# Altium PCB VITA_57_FMC_Lib_Demoboard.PcbDoc
Units mm, origin at the board's own origin, x right, y up, seen from the top; angles counter-clockwise.
Board outline 150 x 85 mm, 2 copper layers (Top Layer, Bottom Layer); 14 components, 0 nets, 1145 pads, 0 vias.
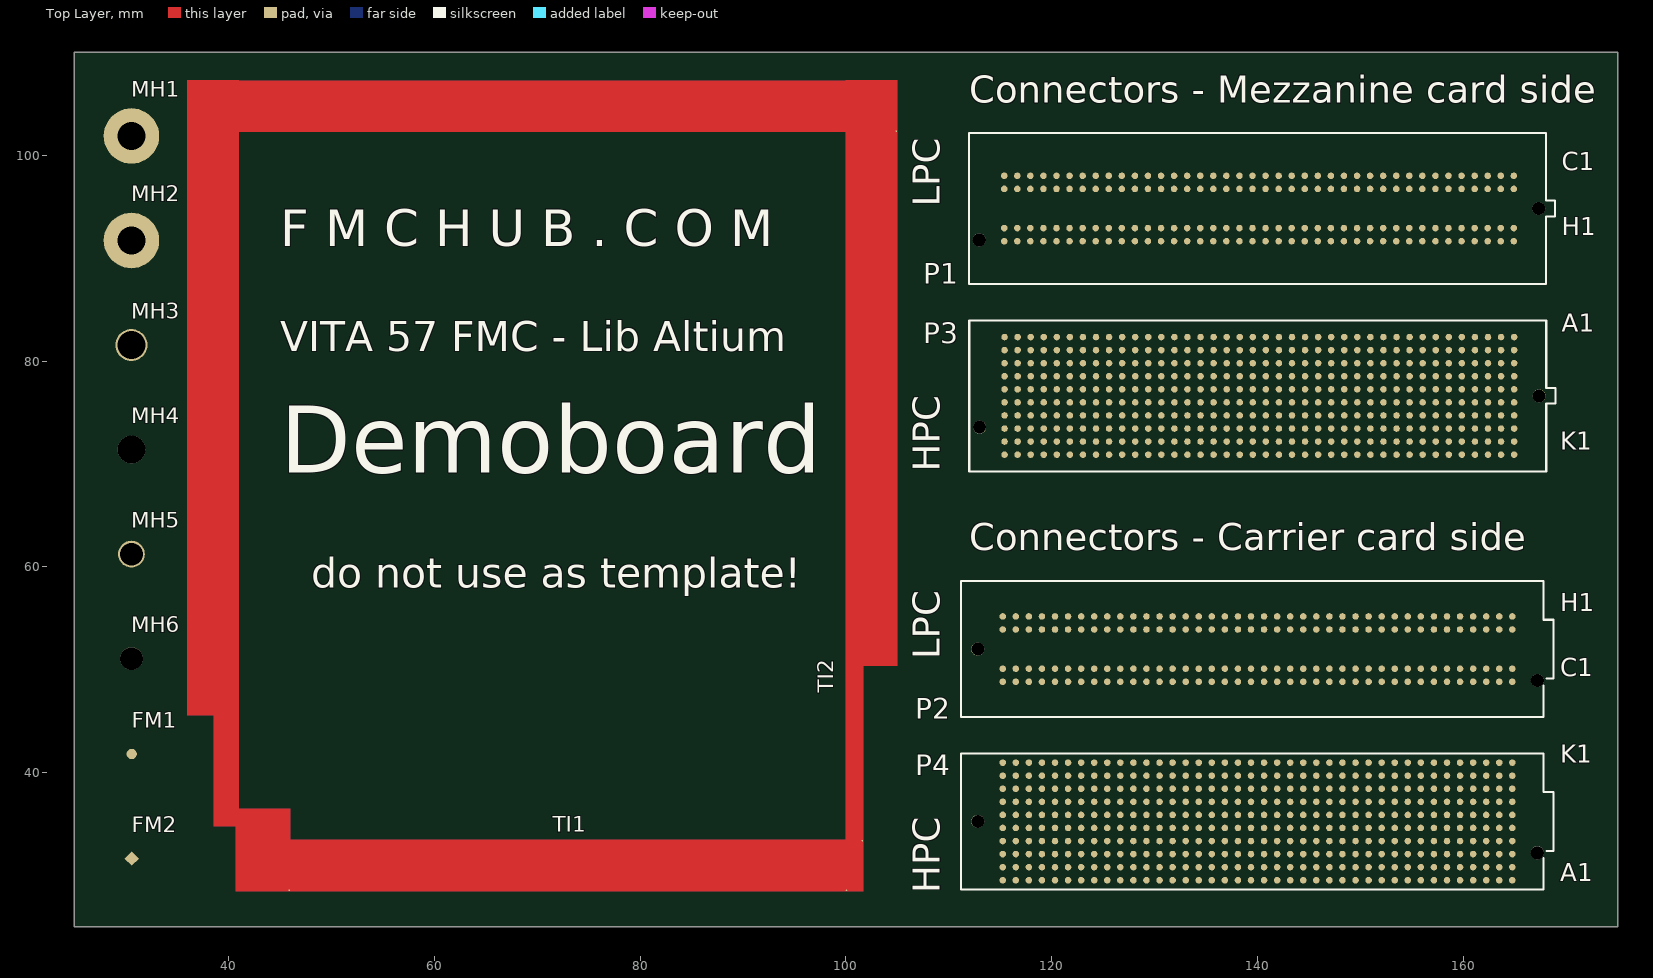
[diagram p0: Top Layer view]
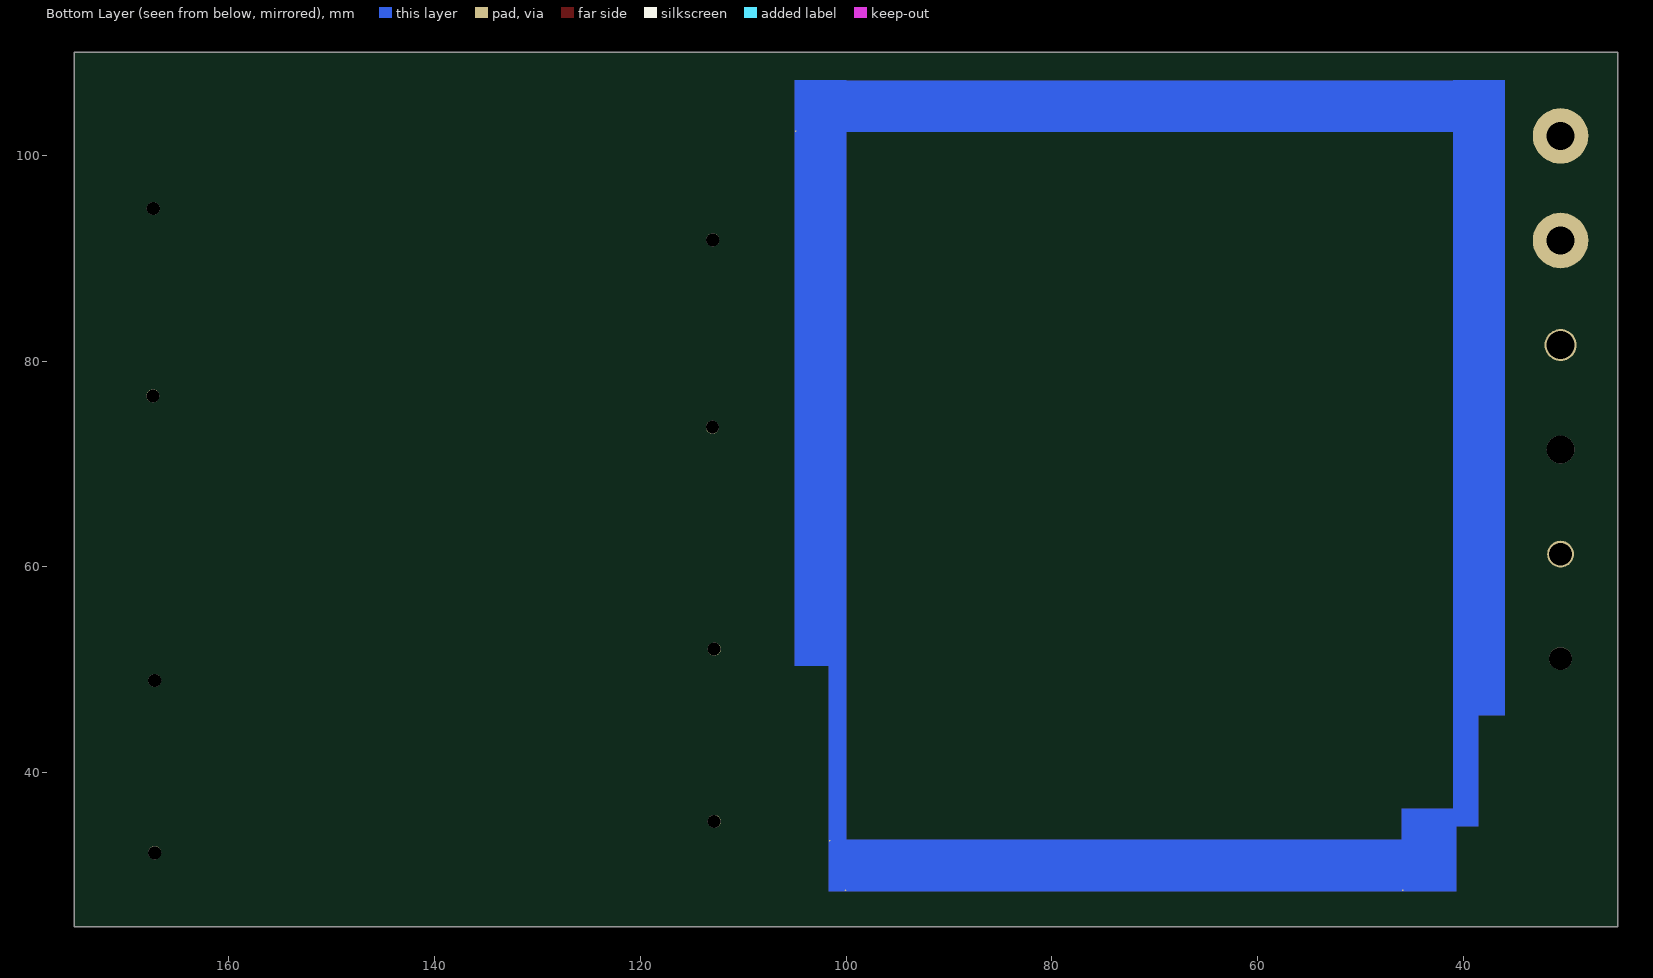
[diagram p1: Bottom Layer view, seen from below]

## Layer stack, top to bottom
Top Solder: solder mask 0.0102, Solder Resist, Dk 3.5
Top Layer: signal copper 0.0356
Dielectric 1: dielectric 0.32, FR-4, Dk 4.8
Bottom Layer: signal copper 0.0356
Bottom Solder: solder mask 0.0102, Solder Resist, Dk 3.5

## Board outline
25,25 175,25 175,110 25,110

## Design rules (kind name [scope] priority, off if disabled: settings)
Clearance [All] p1: gap=0.254 ignorepadtopadclearanceinfootprint=FALSE except(0: Arc-Hole Track-Hole SMDPad-Hole THPad-Hole Via-Hole Fill-Hole Poly-Hole Region-Hole Text-Hole)
HoleSize [All] p1: absolutevalues=TRUE maxlimit=4.5 minlimit=0.3 maxpercent=80.000 minpercent=20.000
PolygonConnect [All] p1: connectstyle=Relief reliefconductorwidth=0.254 reliefentries=4 polygonreliefangle="90 Angle" airgapwidth=0.254
RoutingVias [All] p1: holewidth=0.711 width=1.27 viastyle="Through Hole" minholewidth=0.711 minwidth=1.27 maxholewidth=0.711 maxwidth=1.27
SolderMaskExpansion [All] p1: expansion=0.102
Width [All] p1: maxlimit=0.254 minlimit=0.254 preferedwidth=0.254
29 further rules are at their usual default settings.

## Classes and differential pairs
component class VITA_57_FMC_Lib_Demoboard_LPC: FM1 FM2 MH1 MH2 MH3 MH4 MH5 MH6 P1 P2 TI1 TI2
component class VITA_57_FMC_Lib_Demoboard_HPC_CC: P4
component class VITA_57_FMC_Lib_Demoboard_HPC_MC: P3

## Components (designator, comment, footprint, x,y, rotation, side; value= is the part's Value field where it differs from the comment)
FM1 "1mm" FIDUCIAL_MARK_ROUND 30.572,41.804 r0 top
FM2 "1mm" FIDUCIAL_MARK_DIAMOND 30.572,31.644 r0 top
MH1 "2.7mm" Mounting_Hole_Plated_2.7mm 30.547,101.875 r0 top
MH2 "2.7mm" Mounting_Hole_Plated_2.7mm-COVERED 30.547,91.715 r0 top
MH3 "2.7mm" "Mounting_Hole_Plated_2.7mm - d3.1mm" 30.547,81.555 r0 top
MH4 "2.7mm" Mounting_Hole_2.7mm 30.547,71.395 r0 top
MH5 "2.2mm" Mounting_Hole_PLATED_2.2mm 30.547,61.235 r0 top
MH6 "2.2mm" Mounting_Hole_2.2mm 30.547,51.075 r0 top
P1 "MC-LPC-10" ASP-134604-01 140.145,94.825 r0 top
P2 "CC-LPC-10" ASP-134603-01 140,52 r0 top
P3 "MC-HPC-10" ASP-134488-01 140.175,76.615 r0 top
P4 "CC-HPC-10" ASP-134486-01 140,35.25 r0 top
TI1 "Primary Thermal Interface" Primary_Thermal_Interface 101.979,88.862 r90 top locked net-tie
TI2 "Secondary Thermal Interface" Secondary_Thermal_Interface 101.969,88.87 r90 top locked net-tie

## Footprints (in the part's own frame and the unit in brackets; to place one, negate y for a bottom-side part, rotate by r counter-clockwise, add the part's x,y. Pads: shape width x height; smd on the part's side, far side on the other; paste and mask are expansions set on the pad)
ASP-134486-01 [mil] "CC-HPC-10, 1.27mm PITCH SOCKET ARRAY ASSEMBLY, FEMALE, VITA 57 CONNECTOR"
  round 25 smd paste+5 mask+2.01: A1(975,-225) A2(925,-225) A3(875,-225) A4(825,-225) A5(775,-225) A6(725,-225) A7(675,-225) A8(625,-225) A9(575,-225) A10(525,-225) A11(475,-225) A12(425,-225) A13(375,-225) A14(325,-225) A15(275,-225) A16(225,-225) A17(175,-225) A18(125,-225) A19(75,-225) A20(25,-225) A21(-25,-225) A22(-75,-225) A23(-125,-225) A24(-175,-225) A25(-225,-225) A26(-275,-225) A27(-325,-225) A28(-375,-225) A29(-425,-225) A30(-475,-225) A31(-525,-225) A32(-575,-225) A33(-625,-225) A34(-675,-225) A35(-725,-225) A36(-775,-225) A37(-825,-225) A38(-875,-225) A39(-925,-225) A40(-975,-225) B1(975,-175) B2(925,-175) B3(875,-175) B4(825,-175) B5(775,-175) B6(725,-175) B7(675,-175) B8(625,-175) B9(575,-175) B10(525,-175) B11(475,-175) B12(425,-175) B13(375,-175) B14(325,-175) B15(275,-175) B16(225,-175) B17(175,-175) B18(125,-175) B19(75,-175) B20(25,-175) B21(-25,-175) B22(-75,-175) B23(-125,-175) B24(-175,-175) B25(-225,-175) B26(-275,-175) B27(-325,-175) B28(-375,-175) B29(-425,-175) B30(-475,-175) B31(-525,-175) B32(-575,-175) B33(-625,-175) B34(-675,-175) B35(-725,-175) B36(-775,-175) B37(-825,-175) B38(-875,-175) B39(-925,-175) B40(-975,-175) E1(975,-25) E2(925,-25) E3(875,-25) E4(825,-25) E5(775,-25) E6(725,-25) E7(675,-25) E8(625,-25) E9(575,-25) E10(525,-25) E11(475,-25) E12(425,-25) E13(375,-25) E14(325,-25) E15(275,-25) E16(225,-25) E17(175,-25) E18(125,-25) E19(75,-25) E20(25,-25) E21(-25,-25) E22(-75,-25) E23(-125,-25) E24(-175,-25) E25(-225,-25) E26(-275,-25) E27(-325,-25) E28(-375,-25) E29(-425,-25) E30(-475,-25) E31(-525,-25) E32(-575,-25) E33(-625,-25) E34(-675,-25) E35(-725,-25) E36(-775,-25) E37(-825,-25) E38(-875,-25) E39(-925,-25) E40(-975,-25) F1(975,25) F2(925,25) F3(875,25) F4(825,25) F5(775,25) F6(725,25) F7(675,25) F8(625,25) F9(575,25) F10(525,25) F11(475,25) F12(425,25) F13(375,25) F14(325,25) F15(275,25) F16(225,25) F17(175,25) F18(125,25) F19(75,25) F20(25,25) F21(-25,25) F22(-75,25) F23(-125,25) F24(-175,25) F25(-225,25) F26(-275,25) F27(-325,25) F28(-375,25) F29(-425,25) F30(-475,25) F31(-525,25) F32(-575,25) F33(-625,25) F34(-675,25) F35(-725,25) F36(-775,25) F37(-825,25) F38(-875,25) F39(-925,25) F40(-975,25) J1(975,175) J2(925,175) J3(875,175) J4(825,175) J5(775,175) J6(725,175) J7(675,175) J8(625,175) J9(575,175) J10(525,175) J11(475,175) J12(425,175) J13(375,175) J14(325,175) J15(275,175) J16(225,175) J17(175,175) J18(125,175) J19(75,175) J20(25,175) J21(-25,175) J22(-75,175) J23(-125,175) J24(-175,175) J25(-225,175) J26(-275,175) J27(-325,175) J28(-375,175) J29(-425,175) J30(-475,175) J31(-525,175) J32(-575,175) J33(-625,175) J34(-675,175) J35(-725,175) J36(-775,175) J37(-825,175) J38(-875,175) J39(-925,175) J40(-975,175) K1(975,225) K2(925,225) K3(875,225) K4(825,225) K5(775,225) K6(725,225) K7(675,225) K8(625,225) K9(575,225) K10(525,225) K11(475,225) K12(425,225) K13(375,225) K14(325,225) K15(275,225) K16(225,225) K17(175,225) K18(125,225) K19(75,225) K20(25,225) K21(-25,225) K22(-75,225) K23(-125,225) K24(-175,225) K25(-225,225) K26(-275,225) K27(-325,225) K28(-375,225) K29(-425,225) K30(-475,225) K31(-525,225) K32(-575,225) K33(-625,225) K34(-675,225) K35(-725,225) K36(-775,225) K37(-825,225) K38(-875,225) K39(-925,225) K40(-975,225)
  round 25 smd paste+5 mask+2: C1(975,-125) C2(925,-125) C3(875,-125) C4(825,-125) C5(775,-125) C6(725,-125) C7(675,-125) C8(625,-125) C9(575,-125) C10(525,-125) C11(475,-125) C12(425,-125) C13(375,-125) C14(325,-125) C15(275,-125) C16(225,-125) C17(175,-125) C18(125,-125) C19(75,-125) C20(25,-125) C21(-25,-125) C22(-75,-125) C23(-125,-125) C24(-175,-125) C25(-225,-125) C26(-275,-125) C27(-325,-125) C28(-375,-125) C29(-425,-125) C30(-475,-125) C31(-525,-125) C32(-575,-125) C33(-625,-125) C34(-675,-125) C35(-725,-125) C36(-775,-125) C37(-825,-125) C38(-875,-125) C39(-925,-125) C40(-975,-125) D1(975,-75) D2(925,-75) D3(875,-75) D4(825,-75) D5(775,-75) D6(725,-75) D7(675,-75) D8(625,-75) D9(575,-75) D10(525,-75) D11(475,-75) D12(425,-75) D13(375,-75) D14(325,-75) D15(275,-75) D16(225,-75) D17(175,-75) D18(125,-75) D19(75,-75) D20(25,-75) D21(-25,-75) D22(-75,-75) D23(-125,-75) D24(-175,-75) D25(-225,-75) D26(-275,-75) D27(-325,-75) D28(-375,-75) D29(-425,-75) D30(-475,-75) D31(-525,-75) D32(-575,-75) D33(-625,-75) D34(-675,-75) D35(-725,-75) D36(-775,-75) D37(-825,-75) D38(-875,-75) D39(-925,-75) D40(-975,-75) G1(975,75) G2(925,75) G3(875,75) G4(825,75) G5(775,75) G6(725,75) G7(675,75) G8(625,75) G9(575,75) G10(525,75) G11(475,75) G12(425,75) G13(375,75) G14(325,75) G15(275,75) G16(225,75) G17(175,75) G18(125,75) G19(75,75) G20(25,75) G21(-25,75) G22(-75,75) G23(-125,75) G24(-175,75) G25(-225,75) G26(-275,75) G27(-325,75) G28(-375,75) G29(-425,75) G30(-475,75) G31(-525,75) G32(-575,75) G33(-625,75) G34(-675,75) G35(-725,75) G36(-775,75) G37(-825,75) G38(-875,75) G39(-925,75) G40(-975,75) H1(975,125) H2(925,125) H3(875,125) H4(825,125) H5(775,125) H6(725,125) H7(675,125) H8(625,125) H9(575,125) H10(525,125) H11(475,125) H12(425,125) H13(375,125) H14(325,125) H15(275,125) H16(225,125) H17(175,125) H18(125,125) H19(75,125) H20(25,125) H21(-25,125) H22(-75,125) H23(-125,125) H24(-175,125) H25(-225,125) H26(-275,125) H27(-325,125) H28(-375,125) H29(-425,125) H30(-475,125) H31(-525,125) H32(-575,125) H33(-625,125) H34(-675,125) H35(-725,125) H36(-775,125) H37(-825,125) H38(-875,125) H39(-925,125) H40(-975,125)
  round 50 hole 50 unplated paste+0 mask+0: MH1(-1070.5,0) MH2(1070.5,-120)
  silkscreen extent -1135,-260 1133,260, body extent -1131,-263 1131,260, height 259
ASP-134488-01 [mil] "MC-HPC-10, 1.27mm PITCH TERMINAL ARRAY ASSEMBLY, MALE, VITA 57 CONNECTOR"
  round 25 smd paste+5 mask+2.01: A1(975,225) A2(925,225) A3(875,225) A4(825,225) A5(775,225) A6(725,225) A7(675,225) A8(625,225) A9(575,225) A10(525,225) A11(475,225) A12(425,225) A13(375,225) A14(325,225) A15(275,225) A16(225,225) A17(175,225) A18(125,225) A19(75,225) A20(25,225) A21(-25,225) A22(-75,225) A23(-125,225) A24(-175,225) A25(-225,225) A26(-275,225) A27(-325,225) A28(-375,225) A29(-425,225) A30(-475,225) A31(-525,225) A32(-575,225) A33(-625,225) A34(-675,225) A35(-725,225) A36(-775,225) A37(-825,225) A38(-875,225) A39(-925,225) A40(-975,225) B1(975,175) B2(925,175) B3(875,175) B4(825,175) B5(775,175) B6(725,175) B7(675,175) B8(625,175) B9(575,175) B10(525,175) B11(475,175) B12(425,175) B13(375,175) B14(325,175) B15(275,175) B16(225,175) B17(175,175) B18(125,175) B19(75,175) B20(25,175) B21(-25,175) B22(-75,175) B23(-125,175) B24(-175,175) B25(-225,175) B26(-275,175) B27(-325,175) B28(-375,175) B29(-425,175) B30(-475,175) B31(-525,175) B32(-575,175) B33(-625,175) B34(-675,175) B35(-725,175) B36(-775,175) B37(-825,175) B38(-875,175) B39(-925,175) B40(-975,175) E1(975,25) E2(925,25) E3(875,25) E4(825,25) E5(775,25) E6(725,25) E7(675,25) E8(625,25) E9(575,25) E10(525,25) E11(475,25) E12(425,25) E13(375,25) E14(325,25) E15(275,25) E16(225,25) E17(175,25) E18(125,25) E19(75,25) E20(25,25) E21(-25,25) E22(-75,25) E23(-125,25) E24(-175,25) E25(-225,25) E26(-275,25) E27(-325,25) E28(-375,25) E29(-425,25) E30(-475,25) E31(-525,25) E32(-575,25) E33(-625,25) E34(-675,25) E35(-725,25) E36(-775,25) E37(-825,25) E38(-875,25) E39(-925,25) E40(-975,25) F1(975,-25) F2(925,-25) F3(875,-25) F4(825,-25) F5(775,-25) F6(725,-25) F7(675,-25) F8(625,-25) F9(575,-25) F10(525,-25) F11(475,-25) F12(425,-25) F13(375,-25) F14(325,-25) F15(275,-25) F16(225,-25) F17(175,-25) F18(125,-25) F19(75,-25) F20(25,-25) F21(-25,-25) F22(-75,-25) F23(-125,-25) F24(-175,-25) F25(-225,-25) F26(-275,-25) F27(-325,-25) F28(-375,-25) F29(-425,-25) F30(-475,-25) F31(-525,-25) F32(-575,-25) F33(-625,-25) F34(-675,-25) F35(-725,-25) F36(-775,-25) F37(-825,-25) F38(-875,-25) F39(-925,-25) F40(-975,-25) J1(975,-175) J2(925,-175) J3(875,-175) J4(825,-175) J5(775,-175) J6(725,-175) J7(675,-175) J8(625,-175) J9(575,-175) J10(525,-175) J11(475,-175) J12(425,-175) J13(375,-175) J14(325,-175) J15(275,-175) J16(225,-175) J17(175,-175) J18(125,-175) J19(75,-175) J20(25,-175) J21(-25,-175) J22(-75,-175) J23(-125,-175) J24(-175,-175) J25(-225,-175) J26(-275,-175) J27(-325,-175) J28(-375,-175) J29(-425,-175) J30(-475,-175) J31(-525,-175) J32(-575,-175) J33(-625,-175) J34(-675,-175) J35(-725,-175) J36(-775,-175) J37(-825,-175) J38(-875,-175) J39(-925,-175) J40(-975,-175) K1(975,-225) K2(925,-225) K3(875,-225) K4(825,-225) K5(775,-225) K6(725,-225) K7(675,-225) K8(625,-225) K9(575,-225) K10(525,-225) K11(475,-225) K12(425,-225) K13(375,-225) K14(325,-225) K15(275,-225) K16(225,-225) K17(175,-225) K18(125,-225) K19(75,-225) K20(25,-225) K21(-25,-225) K22(-75,-225) K23(-125,-225) K24(-175,-225) K25(-225,-225) K26(-275,-225) K27(-325,-225) K28(-375,-225) K29(-425,-225) K30(-475,-225) K31(-525,-225) K32(-575,-225) K33(-625,-225) K34(-675,-225) K35(-725,-225) K36(-775,-225) K37(-825,-225) K38(-875,-225) K39(-925,-225) K40(-975,-225)
  round 25 smd paste+5 mask+2: C1(975,125) C2(925,125) C3(875,125) C4(825,125) C5(775,125) C6(725,125) C7(675,125) C8(625,125) C9(575,125) C10(525,125) C11(475,125) C12(425,125) C13(375,125) C14(325,125) C15(275,125) C16(225,125) C17(175,125) C18(125,125) C19(75,125) C20(25,125) C21(-25,125) C22(-75,125) C23(-125,125) C24(-175,125) C25(-225,125) C26(-275,125) C27(-325,125) C28(-375,125) C29(-425,125) C30(-475,125) C31(-525,125) C32(-575,125) C33(-625,125) C34(-675,125) C35(-725,125) C36(-775,125) C37(-825,125) C38(-875,125) C39(-925,125) C40(-975,125) D1(975,75) D2(925,75) D3(875,75) D4(825,75) D5(775,75) D6(725,75) D7(675,75) D8(625,75) D9(575,75) D10(525,75) D11(475,75) D12(425,75) D13(375,75) D14(325,75) D15(275,75) D16(225,75) D17(175,75) D18(125,75) D19(75,75) D20(25,75) D21(-25,75) D22(-75,75) D23(-125,75) D24(-175,75) D25(-225,75) D26(-275,75) D27(-325,75) D28(-375,75) D29(-425,75) D30(-475,75) D31(-525,75) D32(-575,75) D33(-625,75) D34(-675,75) D35(-725,75) D36(-775,75) D37(-825,75) D38(-875,75) D39(-925,75) D40(-975,75) G1(975,-75) G2(925,-75) G3(875,-75) G4(825,-75) G5(775,-75) G6(725,-75) G7(675,-75) G8(625,-75) G9(575,-75) G10(525,-75) G11(475,-75) G12(425,-75) G13(375,-75) G14(325,-75) G15(275,-75) G16(225,-75) G17(175,-75) G18(125,-75) G19(75,-75) G20(25,-75) G21(-25,-75) G22(-75,-75) G23(-125,-75) G24(-175,-75) G25(-225,-75) G26(-275,-75) G27(-325,-75) G28(-375,-75) G29(-425,-75) G30(-475,-75) G31(-525,-75) G32(-575,-75) G33(-625,-75) G34(-675,-75) G35(-725,-75) G36(-775,-75) G37(-825,-75) G38(-875,-75) G39(-925,-75) G40(-975,-75) H1(975,-125) H2(925,-125) H3(875,-125) H4(825,-125) H5(775,-125) H6(725,-125) H7(675,-125) H8(625,-125) H9(575,-125) H10(525,-125) H11(475,-125) H12(425,-125) H13(375,-125) H14(325,-125) H15(275,-125) H16(225,-125) H17(175,-125) H18(125,-125) H19(75,-125) H20(25,-125) H21(-25,-125) H22(-75,-125) H23(-125,-125) H24(-175,-125) H25(-225,-125) H26(-275,-125) H27(-325,-125) H28(-375,-125) H29(-425,-125) H30(-475,-125) H31(-525,-125) H32(-575,-125) H33(-625,-125) H34(-675,-125) H35(-725,-125) H36(-775,-125) H37(-825,-125) H38(-875,-125) H39(-925,-125) H40(-975,-125)
  round 50 hole 50 unplated paste+0 mask+0: MH1(1070.5,0) MH2(-1070.5,-120)
  silkscreen extent -1110,-289 1133,289, body extent -1098,-289 1133,289, height 281
ASP-134603-01 [mil] "CC-LPC-10, 1.27mm PITCH SOCKET ARRAY ASSEMBLY, FEMALE, VITA 57 CONNECTOR"
  round 25 smd paste+5 mask+2: C1(975,-125) C2(925,-125) C3(875,-125) C4(825,-125) C5(775,-125) C6(725,-125) C7(675,-125) C8(625,-125) C9(575,-125) C10(525,-125) C11(475,-125) C12(425,-125) C13(375,-125) C14(325,-125) C15(275,-125) C16(225,-125) C17(175,-125) C18(125,-125) C19(75,-125) C20(25,-125) C21(-25,-125) C22(-75,-125) C23(-125,-125) C24(-175,-125) C25(-225,-125) C26(-275,-125) C27(-325,-125) C28(-375,-125) C29(-425,-125) C30(-475,-125) C31(-525,-125) C32(-575,-125) C33(-625,-125) C34(-675,-125) C35(-725,-125) C36(-775,-125) C37(-825,-125) C38(-875,-125) C39(-925,-125) C40(-975,-125) D1(975,-75) D2(925,-75) D3(875,-75) D4(825,-75) D5(775,-75) D6(725,-75) D7(675,-75) D8(625,-75) D9(575,-75) D10(525,-75) D11(475,-75) D12(425,-75) D13(375,-75) D14(325,-75) D15(275,-75) D16(225,-75) D17(175,-75) D18(125,-75) D19(75,-75) D20(25,-75) D21(-25,-75) D22(-75,-75) D23(-125,-75) D24(-175,-75) D25(-225,-75) D26(-275,-75) D27(-325,-75) D28(-375,-75) D29(-425,-75) D30(-475,-75) D31(-525,-75) D32(-575,-75) D33(-625,-75) D34(-675,-75) D35(-725,-75) D36(-775,-75) D37(-825,-75) D38(-875,-75) D39(-925,-75) D40(-975,-75) G1(975,75) G2(925,75) G3(875,75) G4(825,75) G5(775,75) G6(725,75) G7(675,75) G8(625,75) G9(575,75) G10(525,75) G11(475,75) G12(425,75) G13(375,75) G14(325,75) G15(275,75) G16(225,75) G17(175,75) G18(125,75) G19(75,75) G20(25,75) G21(-25,75) G22(-75,75) G23(-125,75) G24(-175,75) G25(-225,75) G26(-275,75) G27(-325,75) G28(-375,75) G29(-425,75) G30(-475,75) G31(-525,75) G32(-575,75) G33(-625,75) G34(-675,75) G35(-725,75) G36(-775,75) G37(-825,75) G38(-875,75) G39(-925,75) G40(-975,75) H1(975,125) H2(925,125) H3(875,125) H4(825,125) H5(775,125) H6(725,125) H7(675,125) H8(625,125) H9(575,125) H10(525,125) H11(475,125) H12(425,125) H13(375,125) H14(325,125) H15(275,125) H16(225,125) H17(175,125) H18(125,125) H19(75,125) H20(25,125) H21(-25,125) H22(-75,125) H23(-125,125) H24(-175,125) H25(-225,125) H26(-275,125) H27(-325,125) H28(-375,125) H29(-425,125) H30(-475,125) H31(-525,125) H32(-575,125) H33(-625,125) H34(-675,125) H35(-725,125) H36(-775,125) H37(-825,125) H38(-875,125) H39(-925,125) H40(-975,125)
  round 50 hole 50 unplated paste+0 mask+0: MH1(-1070.5,0) MH2(1070.5,-120)
  silkscreen extent -1135,-260 1133,260, body extent -1131,-263 1131,260, height 259
ASP-134604-01 [mil] "MC-LPC-10, 1.27mm PITCH TERMINAL ARRAY ASSEMBLY, MALE, VITA 57 CONNECTOR"
  round 25 smd paste+5 mask+2: C1(975,125) C2(925,125) C3(875,125) C4(825,125) C5(775,125) C6(725,125) C7(675,125) C8(625,125) C9(575,125) C10(525,125) C11(475,125) C12(425,125) C13(375,125) C14(325,125) C15(275,125) C16(225,125) C17(175,125) C18(125,125) C19(75,125) C20(25,125) C21(-25,125) C22(-75,125) C23(-125,125) C24(-175,125) C25(-225,125) C26(-275,125) C27(-325,125) C28(-375,125) C29(-425,125) C30(-475,125) C31(-525,125) C32(-575,125) C33(-625,125) C34(-675,125) C35(-725,125) C36(-775,125) C37(-825,125) C38(-875,125) C39(-925,125) C40(-975,125) D1(975,75) D2(925,75) D3(875,75) D4(825,75) D5(775,75) D6(725,75) D7(675,75) D8(625,75) D9(575,75) D10(525,75) D11(475,75) D12(425,75) D13(375,75) D14(325,75) D15(275,75) D16(225,75) D17(175,75) D18(125,75) D19(75,75) D20(25,75) D21(-25,75) D22(-75,75) D23(-125,75) D24(-175,75) D25(-225,75) D26(-275,75) D27(-325,75) D28(-375,75) D29(-425,75) D30(-475,75) D31(-525,75) D32(-575,75) D33(-625,75) D34(-675,75) D35(-725,75) D36(-775,75) D37(-825,75) D38(-875,75) D39(-925,75) D40(-975,75) G1(975,-75) G2(925,-75) G3(875,-75) G4(825,-75) G5(775,-75) G6(725,-75) G7(675,-75) G8(625,-75) G9(575,-75) G10(525,-75) G11(475,-75) G12(425,-75) G13(375,-75) G14(325,-75) G15(275,-75) G16(225,-75) G17(175,-75) G18(125,-75) G19(75,-75) G20(25,-75) G21(-25,-75) G22(-75,-75) G23(-125,-75) G24(-175,-75) G25(-225,-75) G26(-275,-75) G27(-325,-75) G28(-375,-75) G29(-425,-75) G30(-475,-75) G31(-525,-75) G32(-575,-75) G33(-625,-75) G34(-675,-75) G35(-725,-75) G36(-775,-75) G37(-825,-75) G38(-875,-75) G39(-925,-75) G40(-975,-75) H1(975,-125) H2(925,-125) H3(875,-125) H4(825,-125) H5(775,-125) H6(725,-125) H7(675,-125) H8(625,-125) H9(575,-125) H10(525,-125) H11(475,-125) H12(425,-125) H13(375,-125) H14(325,-125) H15(275,-125) H16(225,-125) H17(175,-125) H18(125,-125) H19(75,-125) H20(25,-125) H21(-25,-125) H22(-75,-125) H23(-125,-125) H24(-175,-125) H25(-225,-125) H26(-275,-125) H27(-325,-125) H28(-375,-125) H29(-425,-125) H30(-475,-125) H31(-525,-125) H32(-575,-125) H33(-625,-125) H34(-675,-125) H35(-725,-125) H36(-775,-125) H37(-825,-125) H38(-875,-125) H39(-925,-125) H40(-975,-125)
  round 50 hole 50 unplated paste+0 mask+0: MH1(1070.5,0) MH2(-1070.5,-120)
  silkscreen extent -1110,-289 1133,289, body extent -1098,-289 1133,289, height 281
FIDUCIAL_MARK_DIAMOND [mm] "fiducial mark, diamond, 1 mm squared, 3 mm keep-out"
  rect 1x1 smd rot 45 paste+0 mask+0: FD0(0,0)
  round 3 on Top Solder paste+0 mask+0: FD0(0,0)
FIDUCIAL_MARK_ROUND [mm] "fiducial mark, round, 1 mm diameter, 3 mm keep-out"
  round 1 smd paste+0 mask+1: FD0(0,0)
Mounting_Hole_2.2mm [mm] "Mounting Hole, hole 2.2mm"
  round 2.2 hole 2.2 unplated mask+0: 0(0,0)
Mounting_Hole_2.7mm [mm] "Mounting Hole, hole 2.7mm"
  round 2.7 hole 2.7 unplated mask+0: 0(0,0)
Mounting_Hole_PLATED_2.2mm [mm] "Mounting Hole, hole 2.2mm, diameter 2.6mm, Keepout R 1.35mm, plated"
  round 2.6 hole 2.2 mask+0: 0(0,0)
Mounting_Hole_Plated_2.7mm [mm] "Mounting Hole, hole 2.7mm, diameter 5.4mm, Keepout R 2.9mm, plated"
  round 5.4 hole 2.7 mask+0: 0(0,0)
"Mounting_Hole_Plated_2.7mm - d3.1mm" [mm] "Mounting Hole, hole 2.7mm, diameter 3.1mm, Keepout R 3.2mm, plated"
  round 3.1 hole 2.7 mask+0: 0(0,0)
Mounting_Hole_Plated_2.7mm-COVERED [mm] "Mounting Hole, hole 2.7mm, diameter 5.4mm, Keepout R 2.9mm, plated, covered with solder mask"
  round 5.4 hole 2.7 mask+0.2: 0(0,0)
Primary_Thermal_Interface [mm] "Primary thermal interfaces for FMC module"
  round 0.152 smd paste-0.152 mask+0: 0(-55.48,0.38) 1(13.48,-2.92)
  round 0.152 smd far side paste-0.152 mask+0: 0(-55.48,0.38) 1(13.48,-2.92)
  Top Layer region: -60.4,0.3 -60.4,61.3 -55.4,61.3 -55.4,0.3
  Top Layer region: 18.4,66 13.4,66 13.4,-3 18.4,-3
  Bottom Layer region: -60.4,61.3 -55.4,61.3 -55.4,0.3 -60.4,0.3
  Bottom Layer region: 13.4,66 18.4,66 18.4,-3 13.4,-3
Secondary_Thermal_Interface [mm] "Secondary thermal interfaces for FMC module"
  round 0.152 smd paste-0.152 mask+0: 0(-60.32,56.08) 1(-60.32,1.92)
  round 0.152 smd far side paste-0.152 mask+0: 0(-60.32,56.08) 1(-60.32,1.92)
  Top Layer region: 18.4,66 18.4,61 -52.4,61 -52.4,56 -60.4,56 -60.4,61.3 -54.1,61.3 -54.1,63.4 -43.3,63.4 -43.3,66
  Top Layer region: 18.4,-3 18.4,2 -60.4,2 -60.4,0.3 -38.5,0.3 -38.5,-3
  Bottom Layer region: 18.4,66 18.4,61 -52.4,61 -52.4,56 -60.4,56 -60.4,61.3 -54.1,61.3 -54.1,63.4 -43.3,63.4 -43.3,66
  Bottom Layer region: 18.4,-3 18.4,2 -60.4,2 -60.4,0.3 -38.5,0.3 -38.5,-3

## Part data
FM1 FM2: library part Fiducial_Mark, "Fiducial mark, width 1mm, clearance 3mm", Clearance="3 mm", Width="1 mm"
MH1 MH2 MH3 MH4: library part Mounting_Hole_2.7mm, "Mounting hole, hole size 2.7mm", Hole radius="2.7 mm"
MH5 MH6: library part Mounting_Hole_2.2mm, "Mounting hole, hole size 2.2mm", Hole radius="2.2 mm"
P1: "MC-LPC-10, FMC Low-pin count connector, lead free, 160 I/Os, male, 10 mm mated stack height", Manufacturer=Samtec, Manufacturer Ref=SEAM-40-03.5-S-10-2-A-K-TR-VITA57, PartName=ASP-134604-01, Supplier Part Number 1=SAM8732-ND, Gender=male, Mated Stack Height="10 mm", Number I/O=160, Part=ASP-134604-01, Pin Count=Low, Pitch="1.27 mm", Solder Type=Lead-Free, Supplier 1=Digi-Key, Vita PartNumber=MC-LPC-10
P2: "CC-LPC-10, FMC Low-pin count connector, lead free, 160 I/Os, female, 10 mm mated stack height", Manufacturer=Samtec, Manufacturer Ref=SEAF-40-06.5-10-A, PartName=ASP-134603-01, Supplier Part Number 1=SAM8729-ND, Gender=female, Mated Stack Height="10 mm", Number I/O=160, Part=ASP-134603-01, Pin Count=Low, Pitch="1.27 mm", Solder Type=Lead-Free, Supplier 1=Digi-Key, Vita PartNumber=CC-LPC-10
P3: "MC-HPC-10, FMC High-pin count connector, lead free, 400 I/Os, male, 10 mm mated stack height", Manufacturer=Samtec, Manufacturer Ref=SEAM-40-03.5-S-10-2-A-K-TR-VITA57.0, PartName=ASP-134488-01, Supplier Part Number 1=SAM8730-ND, Gender=male, Mated Stack Height="10 mm", Number I/O=400, Part=ASP-134488-01, Pin Count=High, Pitch="1.27 mm", Solder Type=Lead-Free, Supplier 1=Digi-Key, Vita PartNumber=MC-HPC-10
P4: "CC-HPC-10, FMC High-pin count connector, lead free, 400 I/Os, female, 10 mm mated stack height", Manufacturer=Samtec, Manufacturer Ref=SEAF-40-06.5-10-A, PartName=ASP-134486-01, Supplier Part Number 1=SAM8728-ND, Gender=female, Mated Stack Height="10 mm", Number I/O=400, Part=ASP-134486-01, Pin Count=High, Pitch="1.27 mm", Solder Type=Lead-Free, Supplier 1=Digi-Key, Vita PartNumber=CC-HPC-10
TI1: library part Primary_Thermal_Interface, "Primary Thermal Interface, left and right side"
TI2: library part Secondary_Thermal_Interface, "Secondary Thermal Interface, upper and lower side"

## Nets (pads, with @x,y where several pads share a name; then routed paths per layer and width w, separated by ;. In a path a pad name is that pad's centre, name@x,y a point inside that pad or via, vN(x,y) a via of type N, cw(c..) or ccw(c..) an arc to the next point about the centre after c; other vN are vias at no path point)
pads on no net: FM1.FD0 FM2.FD0 MH1.0 MH2.0 MH3.0 MH4.0 MH5.0 MH6.0 P1.C1 P1.C2 P1.C3 P1.C4 P1.C5 P1.C6 P1.C7 P1.C8 P1.C9 P1.C10 P1.C11 P1.C12 P1.C13 P1.C14 P1.C15 P1.C16 P1.C17 P1.C18 P1.C19 P1.C20 P1.C21 P1.C22 P1.C23 P1.C24 P1.C25 P1.C26 P1.C27 P1.C28 P1.C29 P1.C30 P1.C31 P1.C32 P1.C33 P1.C34 P1.C35 P1.C36 P1.C37 P1.C38 P1.C39 P1.C40 P1.D1 P1.D2 P1.D3 P1.D4 P1.D5 P1.D6 P1.D7 P1.D8 P1.D9 P1.D10 P1.D11 P1.D12 P1.D13 P1.D14 P1.D15 P1.D16 P1.D17 P1.D18 P1.D19 P1.D20 P1.D21 P1.D22 P1.D23 P1.D24 P1.D25 P1.D26 P1.D27 P1.D28 P1.D29 P1.D30 P1.D31 P1.D32 P1.D33 P1.D34 P1.D35 P1.D36 P1.D37 P1.D38 P1.D39 P1.D40 P1.G1 P1.G2 P1.G3 P1.G4 P1.G5 P1.G6 P1.G7 P1.G8 P1.G9 P1.G10 P1.G11 P1.G12 P1.G13 P1.G14 P1.G15 P1.G16 P1.G17 P1.G18 P1.G19 P1.G20 P1.G21 P1.G22 P1.G23 P1.G24 P1.G25 P1.G26 P1.G27 P1.G28 P1.G29 P1.G30 P1.G31 P1.G32 P1.G33 P1.G34 P1.G35 P1.G36 P1.G37 P1.G38 P1.G39 P1.G40 P1.H1 P1.H2 P1.H3 P1.H4 P1.H5 P1.H6 P1.H7 P1.H8 P1.H9 P1.H10 P1.H11 P1.H12 P1.H13 P1.H14 P1.H15 P1.H16 P1.H17 P1.H18 P1.H19 P1.H20 P1.H21 P1.H22 P1.H23 P1.H24 P1.H25 P1.H26 P1.H27 P1.H28 P1.H29 P1.H30 P1.H31 P1.H32 P1.H33 P1.H34 P1.H35 P1.H36 P1.H37 P1.H38 P1.H39 P1.H40 P1.MH1 P1.MH2 P2.C1 P2.C2 P2.C3 P2.C4 P2.C5 P2.C6 P2.C7 P2.C8 P2.C9 P2.C10 P2.C11 P2.C12 P2.C13 P2.C14 P2.C15 P2.C16 P2.C17 P2.C18 P2.C19 P2.C20 P2.C21 P2.C22 P2.C23 P2.C24 P2.C25 P2.C26 P2.C27 P2.C28 P2.C29 P2.C30 P2.C31 P2.C32 P2.C33 P2.C34 P2.C35 P2.C36 P2.C37 P2.C38 P2.C39 P2.C40 P2.D1 P2.D2 P2.D3 P2.D4 P2.D5 P2.D6 P2.D7 P2.D8 P2.D9 P2.D10 P2.D11 P2.D12 P2.D13 P2.D14 P2.D15 P2.D16 P2.D17 P2.D18 P2.D19 P2.D20 P2.D21 P2.D22 P2.D23 P2.D24 P2.D25 P2.D26 P2.D27 P2.D28 P2.D29 P2.D30 P2.D31 P2.D32 P2.D33 P2.D34 P2.D35 P2.D36 P2.D37 P2.D38 P2.D39 P2.D40 P2.G1 P2.G2 P2.G3 P2.G4 P2.G5 P2.G6 P2.G7 P2.G8 P2.G9 P2.G10 P2.G11 P2.G12 P2.G13 P2.G14 P2.G15 P2.G16 P2.G17 P2.G18 P2.G19 P2.G20 P2.G21 P2.G22 P2.G23 P2.G24 P2.G25 P2.G26 P2.G27 P2.G28 P2.G29 P2.G30 P2.G31 P2.G32 P2.G33 P2.G34 P2.G35 P2.G36 P2.G37 P2.G38 P2.G39 P2.G40 P2.H1 P2.H2 P2.H3 P2.H4 P2.H5 P2.H6 P2.H7 P2.H8 P2.H9 P2.H10 P2.H11 P2.H12 P2.H13 P2.H14 P2.H15 P2.H16 P2.H17 P2.H18 P2.H19 P2.H20 P2.H21 P2.H22 P2.H23 P2.H24 P2.H25 P2.H26 P2.H27 P2.H28 P2.H29 P2.H30 P2.H31 P2.H32 P2.H33 P2.H34 P2.H35 P2.H36 P2.H37 P2.H38 P2.H39 P2.H40 P2.MH1 P2.MH2 P3.A1 P3.A2 P3.A3 P3.A4 P3.A5 P3.A6 P3.A7 P3.A8 P3.A9 P3.A10 P3.A11 P3.A12 P3.A13 P3.A14 P3.A15 P3.A16 P3.A17 P3.A18 P3.A19 P3.A20 P3.A21 P3.A22 P3.A23 P3.A24 P3.A25 P3.A26 P3.A27 P3.A28 P3.A29 P3.A30 P3.A31 P3.A32 P3.A33 P3.A34 P3.A35 P3.A36 P3.A37 P3.A38 P3.A39 P3.A40 P3.B1 P3.B2 P3.B3 P3.B4 P3.B5 P3.B6 P3.B7 P3.B8 P3.B9 P3.B10 P3.B11 P3.B12 P3.B13 P3.B14 P3.B15 P3.B16 P3.B17 P3.B18 P3.B19 P3.B20 P3.B21 P3.B22 P3.B23 P3.B24 P3.B25 P3.B26 P3.B27 P3.B28 P3.B29 P3.B30 P3.B31 P3.B32 P3.B33 P3.B34 P3.B35 P3.B36 P3.B37 P3.B38 P3.B39 P3.B40 P3.C1 P3.C2 P3.C3 P3.C4 P3.C5 P3.C6 P3.C7 P3.C8 P3.C9 P3.C10 P3.C11 P3.C12 P3.C13 P3.C14 P3.C15 P3.C16 P3.C17 P3.C18 P3.C19 P3.C20 P3.C21 P3.C22 P3.C23 P3.C24 P3.C25 P3.C26 P3.C27 P3.C28 P3.C29 P3.C30 P3.C31 P3.C32 P3.C33 P3.C34 P3.C35 P3.C36 P3.C37 P3.C38 P3.C39 P3.C40 P3.D1 P3.D2 P3.D3 P3.D4 P3.D5 P3.D6 P3.D7 P3.D8 P3.D9 P3.D10 P3.D11 P3.D12 P3.D13 P3.D14 P3.D15 P3.D16 P3.D17 P3.D18 P3.D19 P3.D20 P3.D21 P3.D22 P3.D23 P3.D24 P3.D25 P3.D26 P3.D27 P3.D28 P3.D29 P3.D30 P3.D31 P3.D32 P3.D33 P3.D34 P3.D35 P3.D36 P3.D37 P3.D38 P3.D39 P3.D40 P3.E1 P3.E2 P3.E3 P3.E4 P3.E5 P3.E6 P3.E7 P3.E8 P3.E9 P3.E10 P3.E11 P3.E12 P3.E13 P3.E14 P3.E15 P3.E16 P3.E17 P3.E18 P3.E19 P3.E20 P3.E21 P3.E22 P3.E23 P3.E24 P3.E25 P3.E26 P3.E27 P3.E28 P3.E29 P3.E30 P3.E31 P3.E32 P3.E33 P3.E34 P3.E35 P3.E36 P3.E37 P3.E38 P3.E39 P3.E40 P3.F1 P3.F2 P3.F3 P3.F4 P3.F5 P3.F6 P3.F7 P3.F8 P3.F9 P3.F10 P3.F11 P3.F12 P3.F13 P3.F14 P3.F15 P3.F16 P3.F17 P3.F18 P3.F19 P3.F20 P3.F21 P3.F22 P3.F23 P3.F24 P3.F25 P3.F26 P3.F27 P3.F28 P3.F29 P3.F30 P3.F31 P3.F32 P3.F33 P3.F34 P3.F35 P3.F36 P3.F37 P3.F38 P3.F39 P3.F40 P3.G1 P3.G2 P3.G3 P3.G4 P3.G5 P3.G6 P3.G7 P3.G8 P3.G9 P3.G10 P3.G11 P3.G12 P3.G13 P3.G14 P3.G15 P3.G16 P3.G17 P3.G18 P3.G19 P3.G20 P3.G21 P3.G22 P3.G23 P3.G24 P3.G25 P3.G26 P3.G27 P3.G28 P3.G29 P3.G30 P3.G31 P3.G32 P3.G33 P3.G34 P3.G35 P3.G36 P3.G37 P3.G38 P3.G39 P3.G40 P3.H1 P3.H2 P3.H3 P3.H4 P3.H5 P3.H6 P3.H7 P3.H8 P3.H9 P3.H10 P3.H11 P3.H12 P3.H13 P3.H14 P3.H15 P3.H16 P3.H17 P3.H18 P3.H19 P3.H20 P3.H21 P3.H22 P3.H23 P3.H24 P3.H25 P3.H26 P3.H27 P3.H28 P3.H29 P3.H30 P3.H31 P3.H32 P3.H33 P3.H34 P3.H35 P3.H36 P3.H37 P3.H38 P3.H39 P3.H40 P3.J1 P3.J2 P3.J3 P3.J4 P3.J5 P3.J6 P3.J7 P3.J8 P3.J9 P3.J10 P3.J11 P3.J12 P3.J13 P3.J14 P3.J15 P3.J16 P3.J17 P3.J18 P3.J19 P3.J20 P3.J21 P3.J22 P3.J23 P3.J24 P3.J25 P3.J26 P3.J27 P3.J28 P3.J29 P3.J30 P3.J31 P3.J32 P3.J33 P3.J34 P3.J35 P3.J36 P3.J37 P3.J38 P3.J39 P3.J40 P3.K1 P3.K2 P3.K3 P3.K4 P3.K5 P3.K6 P3.K7 P3.K8 P3.K9 P3.K10 P3.K11 P3.K12 P3.K13 P3.K14 P3.K15 P3.K16 P3.K17 P3.K18 P3.K19 P3.K20 P3.K21 P3.K22 P3.K23 P3.K24 P3.K25 P3.K26 P3.K27 P3.K28 P3.K29 P3.K30 P3.K31 P3.K32 P3.K33 P3.K34 P3.K35 P3.K36 P3.K37 P3.K38 P3.K39 P3.K40 P3.MH1 P3.MH2 P4.A1 P4.A2 P4.A3 P4.A4 P4.A5 P4.A6 P4.A7 P4.A8 P4.A9 P4.A10 P4.A11 P4.A12 P4.A13 P4.A14 P4.A15 P4.A16 P4.A17 P4.A18 P4.A19 P4.A20 P4.A21 P4.A22 P4.A23 P4.A24 P4.A25 P4.A26 P4.A27 P4.A28 P4.A29 P4.A30 P4.A31 P4.A32 P4.A33 P4.A34 P4.A35 P4.A36 P4.A37 P4.A38 P4.A39 P4.A40 P4.B1 P4.B2 P4.B3 P4.B4 P4.B5 P4.B6 P4.B7 P4.B8 P4.B9 P4.B10 P4.B11 P4.B12 P4.B13 P4.B14 P4.B15 P4.B16 P4.B17 P4.B18 P4.B19 P4.B20 P4.B21 P4.B22 P4.B23 P4.B24 P4.B25 P4.B26 P4.B27 P4.B28 P4.B29 P4.B30 P4.B31 P4.B32 P4.B33 P4.B34 P4.B35 P4.B36 P4.B37 P4.B38 P4.B39 P4.B40 P4.C1 P4.C2 P4.C3 P4.C4 P4.C5 P4.C6 P4.C7 P4.C8 P4.C9 P4.C10 P4.C11 P4.C12 P4.C13 P4.C14 P4.C15 P4.C16 P4.C17 P4.C18 P4.C19 P4.C20 P4.C21 P4.C22 P4.C23 P4.C24 P4.C25 P4.C26 P4.C27 P4.C28 P4.C29 P4.C30 P4.C31 P4.C32 P4.C33 P4.C34 P4.C35 P4.C36 P4.C37 P4.C38 P4.C39 P4.C40 P4.D1 P4.D2 P4.D3 P4.D4 P4.D5 P4.D6 P4.D7 P4.D8 P4.D9 P4.D10 P4.D11 P4.D12 P4.D13 P4.D14 P4.D15 P4.D16 P4.D17 P4.D18 P4.D19 P4.D20 P4.D21 P4.D22 P4.D23 P4.D24 P4.D25 P4.D26 P4.D27 P4.D28 P4.D29 P4.D30 P4.D31 P4.D32 P4.D33 P4.D34 P4.D35 P4.D36 P4.D37 P4.D38 P4.D39 P4.D40 P4.E1 P4.E2 P4.E3 P4.E4 P4.E5 P4.E6 P4.E7 P4.E8 P4.E9 P4.E10 P4.E11 P4.E12 P4.E13 P4.E14 P4.E15 P4.E16 P4.E17 P4.E18 P4.E19 P4.E20 P4.E21 P4.E22 P4.E23 P4.E24 P4.E25 P4.E26 P4.E27 P4.E28 P4.E29 P4.E30 P4.E31 P4.E32 P4.E33 P4.E34 P4.E35 P4.E36 P4.E37 P4.E38 P4.E39 P4.E40 P4.F1 P4.F2 P4.F3 P4.F4 P4.F5 P4.F6 P4.F7 P4.F8 P4.F9 P4.F10 P4.F11 P4.F12 P4.F13 P4.F14 P4.F15 P4.F16 P4.F17 P4.F18 P4.F19 P4.F20 P4.F21 P4.F22 P4.F23 P4.F24 P4.F25 P4.F26 P4.F27 P4.F28 P4.F29 P4.F30 P4.F31 P4.F32 P4.F33 P4.F34 P4.F35 P4.F36 P4.F37 P4.F38 P4.F39 P4.F40 P4.G1 P4.G2 P4.G3 P4.G4 P4.G5 P4.G6 P4.G7 P4.G8 P4.G9 P4.G10 P4.G11 P4.G12 P4.G13 P4.G14 P4.G15 P4.G16 P4.G17 P4.G18 P4.G19 P4.G20 P4.G21 P4.G22 P4.G23 P4.G24 P4.G25 P4.G26 P4.G27 P4.G28 P4.G29 P4.G30 P4.G31 P4.G32 P4.G33 P4.G34 P4.G35 P4.G36 P4.G37 P4.G38 P4.G39 P4.G40 P4.H1 P4.H2 P4.H3 P4.H4 P4.H5 P4.H6 P4.H7 P4.H8 P4.H9 P4.H10 P4.H11 P4.H12 P4.H13 P4.H14 P4.H15 P4.H16 P4.H17 P4.H18 P4.H19 P4.H20 P4.H21 P4.H22 P4.H23 P4.H24 P4.H25 P4.H26 P4.H27 P4.H28 P4.H29 P4.H30 P4.H31 P4.H32 P4.H33 P4.H34 P4.H35 P4.H36 P4.H37 P4.H38 P4.H39 P4.H40 P4.J1 P4.J2 P4.J3 P4.J4 P4.J5 P4.J6 P4.J7 P4.J8 P4.J9 P4.J10 P4.J11 P4.J12 P4.J13 P4.J14 P4.J15 P4.J16 P4.J17 P4.J18 P4.J19 P4.J20 P4.J21 P4.J22 P4.J23 P4.J24 P4.J25 P4.J26 P4.J27 P4.J28 P4.J29 P4.J30 P4.J31 P4.J32 P4.J33 P4.J34 P4.J35 P4.J36 P4.J37 P4.J38 P4.J39 P4.J40 P4.K1 P4.K2 P4.K3 P4.K4 P4.K5 P4.K6 P4.K7 P4.K8 P4.K9 P4.K10 P4.K11 P4.K12 P4.K13 P4.K14 P4.K15 P4.K16 P4.K17 P4.K18 P4.K19 P4.K20 P4.K21 P4.K22 P4.K23 P4.K24 P4.K25 P4.K26 P4.K27 P4.K28 P4.K29 P4.K30 P4.K31 P4.K32 P4.K33 P4.K34 P4.K35 P4.K36 P4.K37 P4.K38 P4.K39 P4.K40 P4.MH1 P4.MH2 TI1.0 TI1.1 TI2.0 TI2.1

## Silkscreen, mask and mechanical layers (free items; w line width, h text height)
Top Overlay:
  text "Connectors - Mezzanine card side" at 112,104.25 h4.5
  text "C1" at 169.545,97.984 h3
  text "LPC" at 110,95 h4.5 r90
  text "H1" at 169.545,91.634 h3
  text "F M C H U B . C O M" at 45,90 h6.1
  text "A1" at 169.545,82.264 h3
  text "VITA 57 FMC - Lib Altium" at 45,80 h5
  text "K1" at 169.418,70.783 h3
  text "HPC" at 110,69.25 h4.5 r90
  text "Demoboard" at 45,67 h11.2
  text "Connectors - Carrier card side" at 112,60.75 h4.5
  text "do not use as template!" at 48,57 h5
  text "H1" at 169.418,55.118 h3
  text "LPC" at 110,51 h4.5 r90
  text "C1" at 169.418,48.768 h3
  text "K1" at 169.418,40.363 h3
  text "A1" at 169.418,28.857 h3
  text "HPC" at 110,28.25 h4.5 r90
Mechanical 1:
  the board outline again, w1